# KiCad board KlokTHREEjr.kicad_pcb (continued)
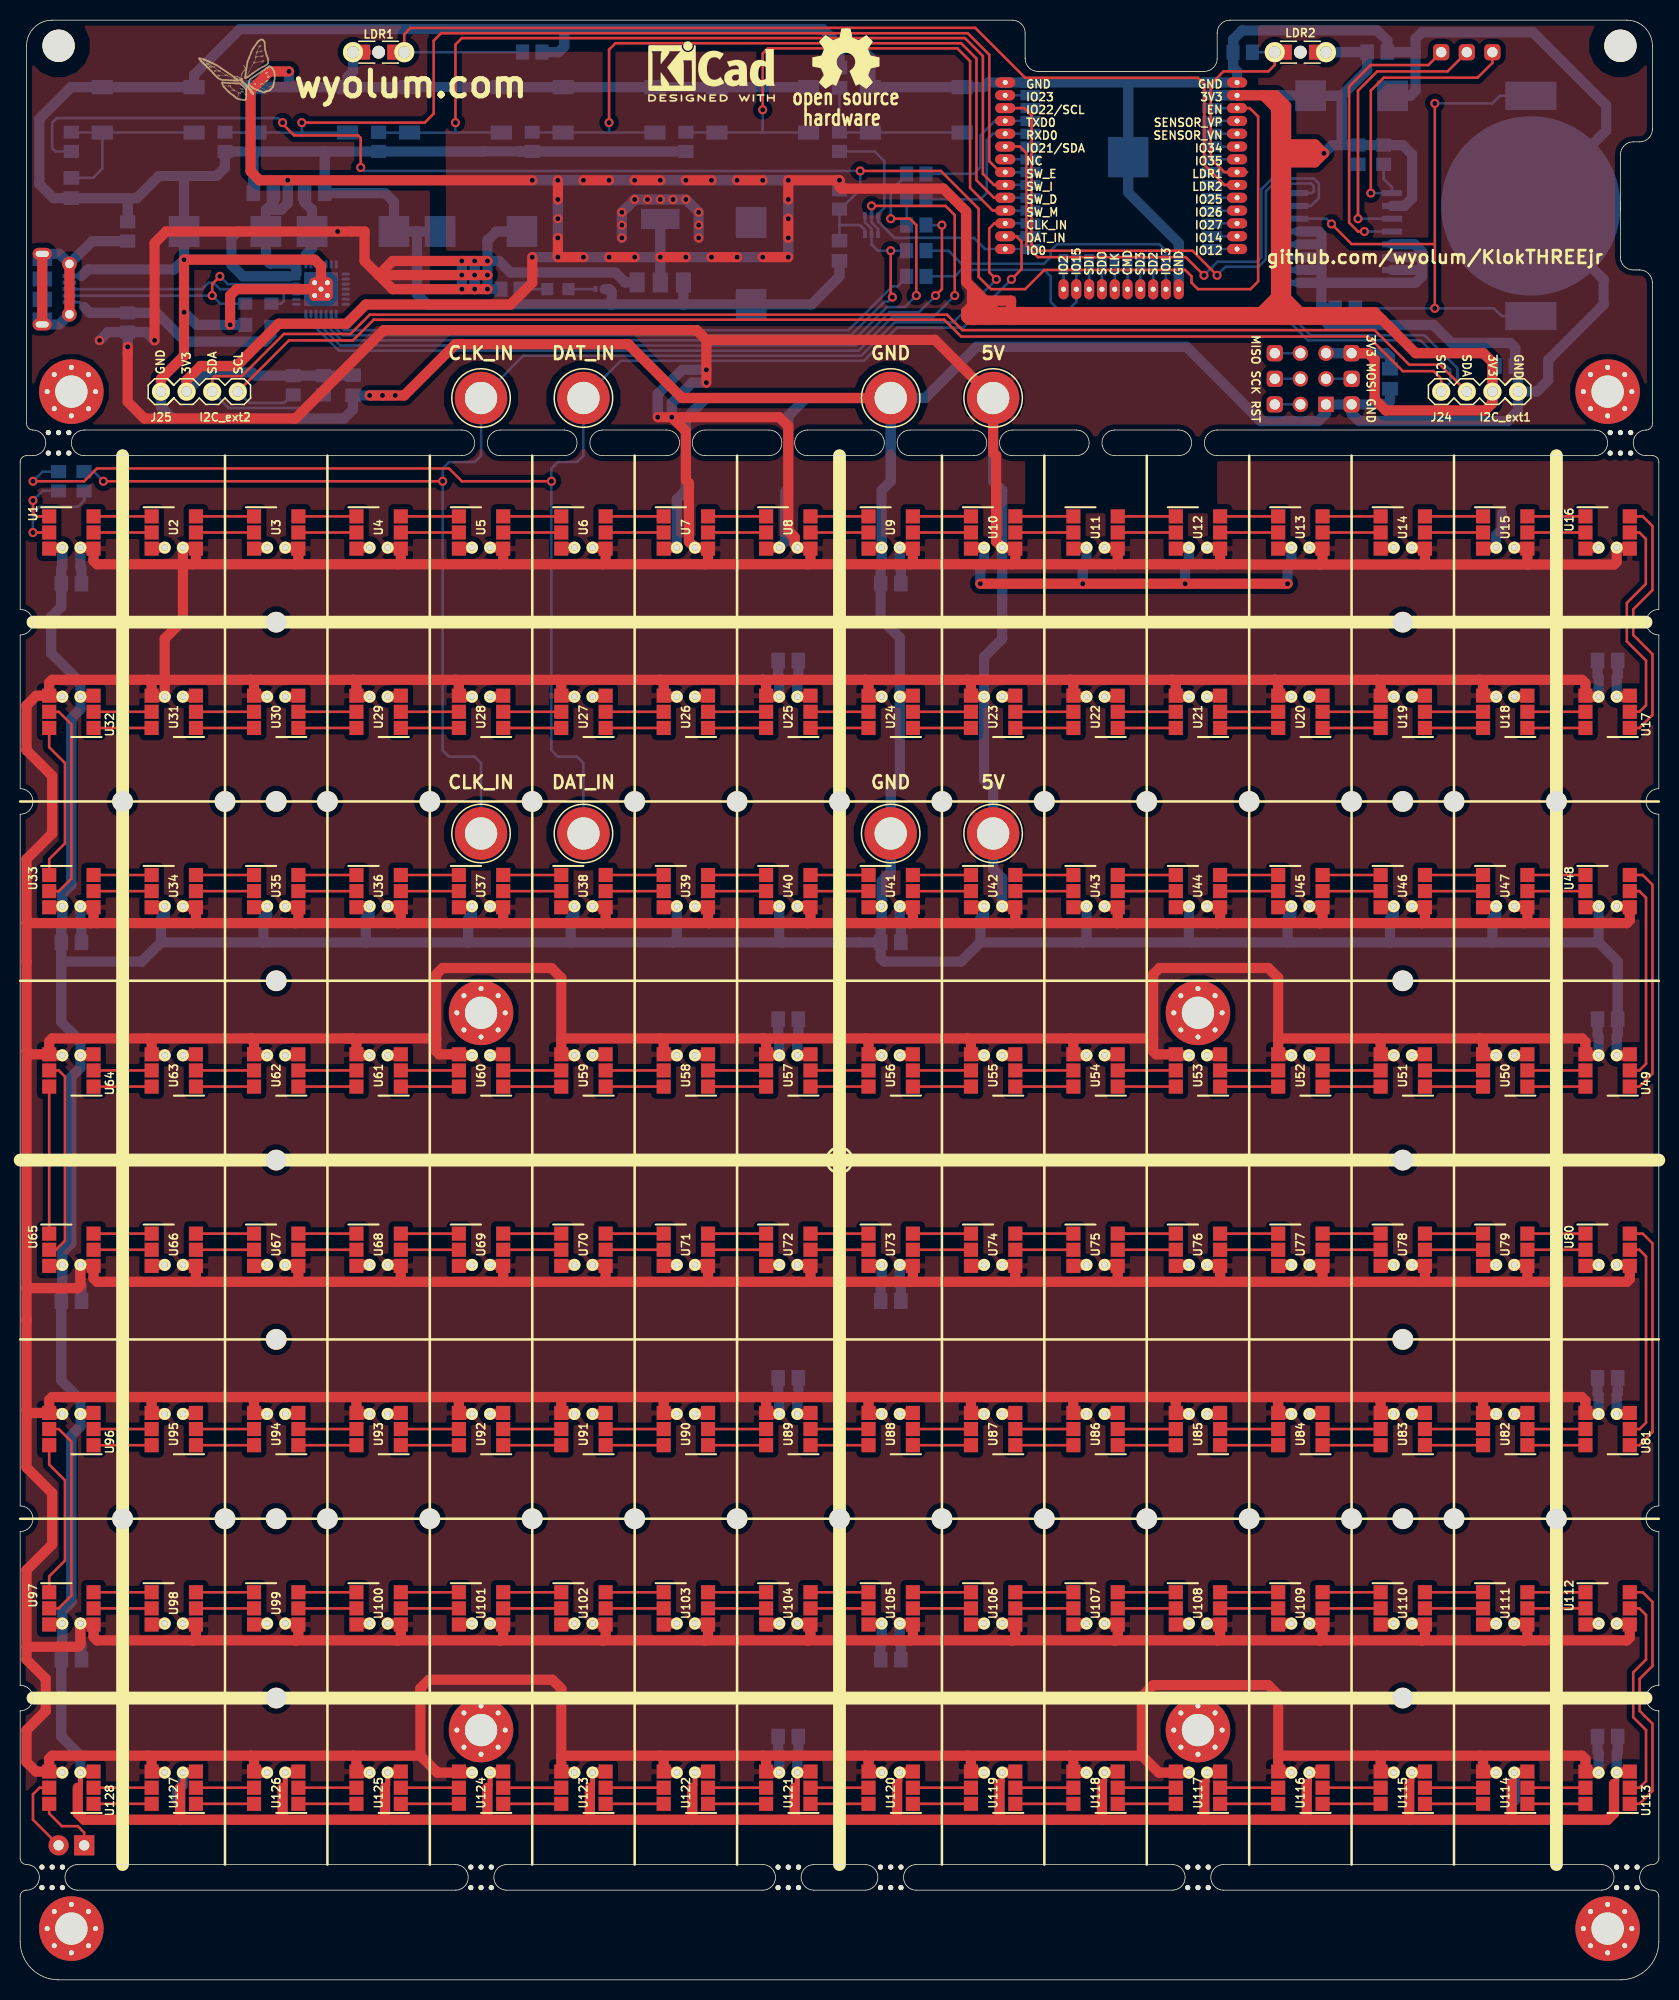
[diagram p0: board, top side]
## Routing (per net, layer and track width the routed paths; a pad name or vN(x,y) marks a point on that pad's centre or on a via; arc(x,y) is an arc through that point) (continued)
  vias: v1(59.69,173.99) v1(62.23,176.53) v1(63.5,176.53) v1(64.77,176.53) v1(67.31,173.99)
/5V: length 2226.2
  Top w1.016: 149.52,140.34 158.12,140.34 158.38,140.6 158.38,142.01 159.58,142.01 U16.4 ; 149.52,140.34 139.06,140.34 ; 149.52,140.34 U15.4 149.42,142.01 148.22,142.01 ; 46.62,35.33 47.82,35.33 47.92,35.23 47.92,33.95 47.63,33.66 ; U85.4 114.74,56.11 U85.4 114.64,57.45 114.3,57.79 ; 53.34,57.79 63.5,57.79 ; 53.34,57.79 43.18,57.79 ; 53.34,57.79 53.68,57.45 U91.4 53.78,56.11 U91.4 ; 63.5,57.79 63.84,57.45 U90.4 63.94,56.11 U90.4 ; 63.5,57.79 73.66,57.79 ; 108.59,69.22 118.75,69.22 ; 108.59,69.22 108.88,69.51 U75.4 108.78,70.89 U75.4 ; 108.59,69.22 98.43,69.22 ; 118.75,69.22 119.04,69.51 U76.4 118.94,70.89 U76.4 ; 118.75,69.22 128.91,69.22 ; 53.34,128.91 63.5,128.91 ; 53.34,128.91 53.68,128.56 U27.4 53.78,127.23 U27.4 ; 53.34,128.91 43.18,128.91 ; 63.5,128.91 73.66,128.91 ; 63.5,128.91 63.84,128.56 U26.4 63.94,127.23 U26.4 ; 128.91,104.78 139.06,104.78 ; 128.91,104.78 118.75,104.78 ; 128.91,104.78 129.2,105.07 U45.4 129.1,106.45 U45.4 ; 139.06,104.78 139.36,105.07 U46.4 139.26,106.45 U46.4 ; 139.06,104.78 149.22,104.78 ; U128.4 1.58,20.65 0.63,21.59 0.63,24.77 2.54,26.67 2.54,29.85 0.63,31.75 0.63,33.02 ; U128.4 2.98,20.55 U128.4 ; U128.4 2.88,21.93 3.18,22.23 12.7,22.23 ; 108.84,104.78 108.88,104.82 U43.4 108.78,106.45 U43.4 ; 108.84,104.78 118.75,104.78 ; 108.84,104.78 98.43,104.78 ; 144.78,93.35 134.62,93.35 ; 144.78,93.35 154.94,93.35 155.28,93.01 155.28,91.77 155.38,91.67 U49.4 ; 144.78,93.35 145.12,93.01 145.12,91.77 145.22,91.67 U50.4 ; 134.62,93.35 124.8,93.35 ; 134.62,93.35 134.96,93.01 U51.4 135.06,91.67 U51.4 ; 63.5,93.35 53.68,93.35 ; 63.5,93.35 63.84,93.01 U58.4 63.94,91.67 U58.4 ; 63.5,93.35 73.66,93.35 ; 53.68,93.35 53.68,99.36 52.71,100.33 41.91,100.33 41.27,99.7 41.27,93.35 ; 53.68,93.35 U59.4 53.78,91.67 U59.4 ; 93.98,128.91 94.32,128.56 U23.4 94.42,127.23 U23.4 ; 93.98,128.91 83.82,128.91 ; 93.98,128.91 104.14,128.91 ; v1(64.64,154.94) 66.04,153.54 66.04,148.72 66.34,148.42 66.34,142.61 U7.4 68.14,142.01 U7.4 68.24,140.66 67.94,140.36 ; v1(64.64,154.94) v1(63.25,154.94) ; v1(64.64,154.94) 75.31,154.94 76.2,154.05 76.2,143.68 76.84,143.05 76.84,142.28 U8.4 78.3,142.01 U8.4 78.4,140.66 78.11,140.36 ; U83.4 135.06,56.11 U83.4 134.96,57.42 134.59,57.79 133.99,57.79 ; 37.46,33.66 37.76,33.95 U100.4 37.66,35.33 U100.4 ; 37.46,33.66 27.3,33.66 ; 37.46,33.66 47.63,33.66 ; U40.4 78.3,106.45 U40.4 78.4,105.07 78.11,104.78 ; 12.7,57.79 12.7,57.76 13.04,57.42 U95.4 13.14,56.11 U95.4 ; 12.7,57.79 22.86,57.79 ; 12.7,57.79 3.18,57.79 2.88,57.49 U96.4 ; 6.98,104.78 17.15,104.78 ; 6.98,104.78 7.28,105.07 U33.4 7.18,106.45 U33.4 ; 6.98,104.78 0.63,104.78 ; 67.94,140.36 78.11,140.36 ; 67.94,140.36 57.79,140.36 ; 78.11,140.36 88.27,140.36 ; U60.4 43.62,91.67 U60.4 41.58,91.77 41.27,92.08 41.27,93.35 ; 104.14,128.91 104.48,128.56 U22.4 104.58,127.23 U22.4 ; 104.14,128.91 114.3,128.91 ; 0.63,104.78 0.63,111.12 3.18,113.67 3.18,119.38 0.63,121.92 0.63,126.37 1.6,127.33 U32.4 ; 0.63,104.78 0.63,92.08 ; 27.3,33.66 27.6,33.95 U99.4 27.5,35.33 U99.4 ; 27.3,33.66 17.15,33.66 ; 93.98,22.23 94.32,21.89 U119.4 94.42,20.55 U119.4 ; 93.98,22.23 83.82,22.23 ; 93.98,22.23 104.14,22.23 ; U61.4 33.46,91.67 U61.4 33.36,92.98 32.99,93.35 22.86,93.35 ; U72.4 78.3,70.89 U72.4 78.4,69.51 78.11,69.22 ; U107.4 108.78,35.33 U107.4 108.88,33.95 108.59,33.66 ; U125.4 33.46,20.55 U125.4 33.36,21.89 33.02,22.23 ; 53.68,22.23 U123.4 53.78,20.55 U123.4 ; 53.68,22.23 63.5,22.23 ; 53.68,22.23 53.68,28.87 52.79,29.76 40.55,29.76 39.7,28.91 39.7,22.23 ; U1.4 7.18,142.01 U1.4 7.28,140.7 7.62,140.36 17.15,140.36 ; U89.4 74.1,56.11 U89.4 74,57.45 73.66,57.79 ; 149.22,33.66 159.39,33.66 159.68,33.95 U112.4 159.58,35.33 158.38,35.33 ; 149.22,33.66 139.06,33.66 ; 149.22,33.66 149.52,33.95 U111.4 149.42,35.33 148.22,35.33 ; 124.46,128.91 134.62,128.91 ; 124.46,128.91 124.8,128.56 U20.4 124.9,127.23 U20.4 ; 124.46,128.91 114.3,128.91 ; 134.62,128.91 134.62,128.88 134.96,128.54 U19.4 135.06,127.23 U19.4 ; 134.62,128.91 144.78,128.91 ; 0.63,33.02 0.63,40.64 3.18,43.18 3.18,48.26 0.63,50.8 0.63,56.52 ; 0.63,33.02 5.72,33.02 5.98,33.29 U97.4 7.18,35.33 U97.4 7.28,34 7.62,33.66 17.15,33.66 ; U78.4 139.26,70.89 U78.4 139.36,69.51 139.06,69.22 ; U68.4 37.66,70.89 U68.4 37.76,69.51 37.46,69.22 ; 46.62,106.45 47.82,106.45 47.92,106.35 47.92,105.07 47.63,104.78 ; 78.11,69.22 88.27,69.22 ; 78.11,69.22 67.94,69.22 ; 88.27,69.22 98.43,69.22 ; 88.27,69.22 88.56,69.51 U73.4 88.46,70.89 U73.4 ; 43.18,57.79 43.52,57.45 U92.4 43.62,56.11 U92.4 ; 43.18,57.79 33.02,57.79 ; 128.91,140.34 121.88,140.34 121.86,140.36 118.75,140.36 ; 128.91,140.34 139.06,140.34 ; 128.91,140.34 129.2,140.63 U13.4 129.1,142.01 U13.4 ; 83.82,93.35 73.66,93.35 ; 83.82,93.35 93.98,93.35 ; 83.82,93.35 84.16,93.01 84.16,91.77 84.26,91.67 U56.4 ; 73.66,93.35 74,93.01 U57.4 74.1,91.67 U57.4 ; 134.62,22.23 124.8,22.23 ; 134.62,22.23 144.78,22.23 ; 134.62,22.23 134.96,21.89 U115.4 135.06,20.55 U115.4 ; 124.8,22.23 U116.4 124.9,20.55 U116.4 ; 124.8,22.23 124.8,28.24 123.81,29.22 112.41,29.22 111.28,28.1 111.28,22.23 ; U55.4 94.42,91.67 U55.4 94.32,93.01 93.98,93.35 ; 47.63,69.22 57.79,69.22 ; 47.63,69.22 47.92,69.51 47.92,70.79 47.82,70.89 46.62,70.89 ; 47.63,69.22 37.46,69.22 ; 57.79,69.22 67.94,69.22 ; 57.79,69.22 58.08,69.51 U70.4 57.98,70.89 56.78,70.89 ; U77.4 129.1,70.89 U77.4 129.2,69.51 128.91,69.22 ; 73.66,57.79 83.82,57.79 ; 33.02,128.91 33.36,128.56 U29.4 33.46,127.23 U29.4 ; 33.02,128.91 43.18,128.91 ; 33.02,128.91 22.86,128.91 ; 47.63,33.66 57.79,33.66 ; 57.79,33.66 58.08,33.95 U102.4 57.98,35.33 56.78,35.33 ; 57.79,33.66 67.94,33.66 ; 111.28,22.23 104.14,22.23 ; 111.28,22.23 112.96,20.55 U117.4 114.74,20.55 U117.4 ; 124.46,57.79 133.99,57.79 ; 124.46,57.79 124.8,57.45 U84.4 124.9,56.11 U84.4 ; 124.46,57.79 114.3,57.79 ; 133.99,57.79 144.78,57.79 ; 68.07,162.61 90.75,162.61 J7.1 96.52,151.44 96.82,151.14 96.82,142.61 U10.4 98.62,142.01 U10.4 98.72,140.66 98.43,140.36 ; 68.07,162.61 v1(68.07,159.64) v1(68.07,158.37) ; 68.07,162.61 67.11,163.58 36.07,163.58 27.3,154.81 12.32,154.81 10.67,156.46 v1(10.67,161.93) ; U127.4 13.14,20.55 U127.4 13.04,21.89 12.7,22.23 ; 57.79,104.78 58.08,105.07 U38.4 57.98,106.45 56.78,106.45 ; 57.79,104.78 68.33,104.78 ; 57.79,104.78 47.63,104.78 ; 0.63,92.08 0.63,68.58 ; 0.63,92.08 0.94,91.77 U64.4 ; 0.63,68.58 0.63,56.52 ; 0.63,68.58 5.72,68.58 5.98,68.85 U65.4 7.18,70.89 U65.4 7.28,69.56 7.62,69.22 17.15,69.22 ; 83.82,22.23 84.16,21.89 84.16,20.65 84.26,20.55 U120.4 ; 83.82,22.23 73.66,22.23 ; 108.59,33.66 98.43,33.66 ; 108.59,33.66 118.75,33.66 ; 46.62,142.01 47.82,142.01 47.92,141.91 47.92,140.66 47.63,140.36 ; 37.46,140.36 37.76,140.66 U4.4 37.66,142.01 U4.4 ; 37.46,140.36 27.3,140.36 ; 37.46,140.36 47.63,140.36 ; 118.75,104.78 119.04,105.07 U44.4 118.94,106.45 U44.4 ; U14.4 139.26,142.01 U14.4 139.36,140.63 139.06,140.34 ; 98.43,104.78 98.72,105.07 U42.4 98.62,106.45 U42.4 ; 98.43,104.78 88.27,104.78 ; 37.46,69.22 27.3,69.22 ; 139.06,33.66 128.91,33.66 ; 139.06,33.66 139.36,33.95 U110.4 139.26,35.33 U110.4 ; 57.79,140.36 58.08,140.66 U6.4 57.98,142.01 56.78,142.01 ; 57.79,140.36 47.63,140.36 ; 148.22,70.89 149.42,70.89 U79.4 149.52,69.51 149.22,69.22 ; 88.27,33.66 98.43,33.66 ; 88.27,33.66 78.11,33.66 ; 88.27,33.66 88.56,33.95 U105.4 88.46,35.33 U105.4 ; 98.43,33.66 98.72,33.95 U106.4 98.62,35.33 U106.4 ; 128.91,33.66 118.75,33.66 ; 128.91,33.66 129.2,33.95 U109.4 129.1,35.33 U109.4 ; 78.11,104.78 88.27,104.78 ; 78.11,104.78 68.33,104.78 ; 17.15,104.78 17.44,105.07 U34.4 17.34,106.45 U34.4 ; 17.15,104.78 27.3,104.78 ; 68.33,104.78 68.24,104.86 U39.4 68.14,106.45 U39.4 ; U11.4 108.78,142.01 U11.4 108.88,140.66 108.59,140.36 ; 128.91,69.22 139.06,69.22 ; 22.86,57.79 33.02,57.79 ; 22.86,57.79 23.2,57.45 U94.4 23.3,56.11 U94.4 ; U64.4 2.88,93.05 3.18,93.35 12.7,93.35 ; U64.4 2.98,91.67 U64.4 ; 41.27,93.35 32.38,93.35 ; U126.4 23.3,20.55 U126.4 23.2,21.89 22.86,22.23 ; U52.4 124.9,91.67 U52.4 124.8,93.35 ; 83.82,57.79 93.34,57.79 ; 83.82,57.79 84.16,57.45 84.16,56.21 84.26,56.11 U88.4 ; 139.06,69.22 149.22,69.22 ; 149.22,69.22 159.39,69.22 159.68,69.51 U80.4 159.58,70.89 158.38,70.89 ; 104.14,22.23 104.48,21.89 U118.4 104.58,20.55 U118.4 ; 88.27,104.78 88.56,105.07 U41.4 88.46,106.45 U41.4 ; U82.4 145.22,56.11 145.12,56.21 145.12,57.45 144.78,57.79 ; U21.4 114.74,127.23 U21.4 114.64,128.56 114.3,128.91 ; 27.3,140.36 17.15,140.36 ; 27.3,140.36 27.6,140.66 U3.4 27.5,142.01 U3.4 ; 17.15,140.36 17.44,140.66 U2.4 17.34,142.01 U2.4 16.14,134.78 14.34,132.98 U31.4 13.14,127.23 U31.4 13.04,128.56 12.7,128.91 ; 17.15,69.22 27.3,69.22 ; 17.15,69.22 17.44,69.51 U66.4 17.34,70.89 U66.4 ; 144.78,22.23 154.94,22.23 155.28,21.89 155.28,20.65 155.38,20.55 U113.4 ; 144.78,22.23 145.12,21.89 145.12,20.65 145.22,20.55 U114.4 ; U54.4 104.58,91.67 U54.4 104.48,93.01 104.14,93.35 ; U124.4 43.62,20.55 U124.4 41.38,20.55 39.7,22.23 ; 37.46,104.78 47.63,104.78 ; 37.46,104.78 37.76,105.07 U36.4 37.66,106.45 U36.4 ; 37.46,104.78 27.3,104.78 ; 33.02,57.79 33.36,57.45 U93.4 33.46,56.11 U93.4 ; 63.5,22.23 63.84,21.89 U122.4 63.94,20.55 U122.4 ; 63.5,22.23 73.66,22.23 ; 148.22,106.45 149.42,106.45 U47.4 149.52,105.07 149.22,104.78 ; 12.7,93.35 13.04,93.01 U63.4 13.14,91.67 U63.4 ; 12.7,93.35 22.86,93.35 ; U96.4 2.98,56.11 U96.4 ; 43.18,128.91 43.52,128.56 U28.4 43.62,127.23 U28.4 ; 88.27,140.36 98.43,140.36 ; 88.27,140.36 88.56,140.66 U9.4 88.46,142.01 U9.4 ; 98.43,140.36 108.59,140.36 ; 73.66,128.91 73.66,128.88 74,128.54 U25.4 74.1,127.23 U25.4 ; 73.66,128.91 83.82,128.91 ; 98.43,69.22 98.72,69.51 U74.4 98.62,70.89 U74.4 ; 144.78,57.79 154.91,57.79 155.28,57.42 155.28,56.21 155.38,56.11 U81.4 ; 0.63,56.52 0.94,56.21 U96.4 ; U104.4 78.3,35.33 U104.4 78.4,33.95 78.11,33.66 ; 22.86,22.23 12.7,22.23 ; 22.86,22.23 33.02,22.23 ; 22.86,93.35 23.2,93.01 U62.4 23.3,91.67 U62.4 ; U17.4 155.38,127.23 155.28,127.33 155.28,128.56 154.94,128.91 144.78,128.91 ; 158.38,106.45 159.58,106.45 U48.4 159.68,105.07 159.39,104.78 149.22,104.78 ; 93.98,93.35 104.14,93.35 ; U24.4 84.26,127.23 84.16,127.33 84.16,128.56 83.82,128.91 ; U53.4 114.74,91.67 U53.4 112.7,91.77 112.4,92.08 112.4,93.35 ; 114.3,57.79 104.14,57.79 ; 12.7,128.91 3.18,128.91 2.88,128.61 U32.4 ; 12.7,128.91 22.86,128.91 ; 144.78,128.91 145.12,128.56 145.12,127.33 145.22,127.23 U18.4 ; U32.4 2.98,127.23 U32.4 ; 27.3,104.78 27.6,105.07 U35.4 27.5,106.45 U35.4 ; 93.34,57.79 93.95,57.79 94.32,57.42 U87.4 94.42,56.11 U87.4 ; 93.34,57.79 104.14,57.79 ; 124.8,93.35 124.8,99.36 123.83,100.33 113.03,100.33 112.4,99.7 112.4,93.35 ; 67.94,33.66 68.24,33.95 U103.4 68.14,35.33 U103.4 ; 67.94,33.66 78.11,33.66 ; 118.75,140.36 119.04,140.66 U12.4 118.94,142.01 U12.4 ; 118.75,140.36 108.59,140.36 ; 104.14,57.79 104.48,57.45 U86.4 104.58,56.11 U86.4 ; 112.4,93.35 104.14,93.35 ; 22.86,128.91 23.2,128.56 U30.4 23.3,127.23 U30.4 ; 33.02,22.23 39.7,22.23 ; U98.4 17.34,35.33 U98.4 17.44,33.95 17.15,33.66 ; v1(46.35,170.43) v1(45.09,170.43) v1(43.82,170.43) 36.96,170.43 35.56,169.04 ; v1(46.35,169.04) v1(45.09,169.04) v1(43.82,169.04) 35.56,169.04 ; 67.94,69.22 68.24,69.51 U71.4 68.14,70.89 U71.4 ; 118.75,33.66 119.04,33.95 U108.4 118.94,35.33 U108.4 ; 35.56,169.04 34.16,170.43 34.16,173.36 v1(31.5,173.36) 14.48,173.36 13.34,172.21 v1(13.34,162.56) ; 35.56,169.04 36.96,167.64 v1(43.82,167.64) v1(45.09,167.64) v1(46.35,167.64) ; U67.4 27.5,70.89 U67.4 27.6,69.51 27.3,69.22 ; 73.66,22.23 74,21.89 U121.4 74.1,20.55 U121.4
  Bottom w0.254: 28.35,171.07 U132.8
  Bottom w1.016: 28.35,171.07 28.96,171.68 28.96,173.36 ; 28.96,173.36 28.96,175.51 28.21,176.26 C26.1 ; 28.96,173.36 v1(31.5,173.36) ; U42.4 97.42,109.23 96.52,110.13 J15.1 96.52,118.11 95.62,119.01 U23.4 95.62,131.18 97.42,132.98 U10.4 97.42,147.69 96.52,148.59 J7.1 ; C12.2 75.2,58.15 75.3,58.05 U89.4 ; C3.2 156.48,129.27 156.58,129.17 U17.4 ; v1(46.35,170.43) 47.5,170.43 48.64,169.29 59.05,169.29 60.05,168.3 61.2,168.3 ; v1(46.35,170.43) 46.35,172.47 47.24,173.36 49.78,173.36 ; v1(46.35,170.43) v1(46.35,169.04) v1(46.35,167.64) R4.1 ; v1(68.07,158.37) 66.68,158.37 64.64,156.34 v1(64.64,154.94) ; U97.4 5.98,33.39 6.08,33.29 C13.2 ; C4.2 75.2,129.27 75.3,129.17 U25.4 ; C8.2 75.2,93.71 75.3,93.61 U57.4 ; U81.4 156.58,58.05 156.48,58.15 C11.2 ; U105.4 87.26,33.39 87.36,33.29 C14.2 ; v1(45.09,167.64) v1(45.09,169.04) v1(45.09,170.43) ; L1.2 12.51,163.39 v1(13.34,162.56) ; L1.2 8.7,163.39 v1(7.87,162.56) ; L1.2 v1(10.67,161.93) ; C9.2 6.08,68.85 5.98,68.95 U65.4 ; C7.2 156.48,93.71 156.58,93.61 U49.4 ; v1(68.07,159.64) 65.66,159.64 63.25,157.23 v1(63.25,154.94) ; C15.2 156.48,22.59 156.58,22.49 U113.4 ; U41.4 87.26,104.61 87.36,104.51 C6.2 ; C2.2 87.36,139.97 87.26,140.07 U9.4 ; U1.4 5.98,140.07 6.08,139.97 C1.2 ; v1(43.82,170.43) v1(43.82,169.04) v1(43.82,167.64) ; U73.4 87.26,68.95 87.36,68.85 C10.2 ; C5.2 6.08,104.41 5.98,104.51 U33.4 ; C16.2 75.2,22.59 75.3,22.49 U121.4
GND: length 1657.3
  Top w0.508: 137.8,19.44 138.06,19.7 U115.3 ; 97.16,19.44 97.42,19.7 U119.3 ; U128.3 5.98,19.32 5.72,19.05 ; 66.68,19.05 66.94,19.32 U122.3 ; 15.88,19.05 16.14,19.32 U127.3 ; U120.3 87.26,19.7 87,19.44 ; U125.3 36.46,19.32 36.2,19.05 ; U116.3 127.9,19.7 127.64,19.44 ; 158.12,19.44 158.38,19.7 158.38,20.55 ; 76.84,19.05 77.1,19.32 U121.3 ; 148.22,20.55 148.22,19.7 147.96,19.44 ; U117.3 117.74,19.7 117.47,19.44 ; 56.78,20.55 56.78,19.32 56.52,19.05 ; U118.3 107.58,19.7 107.31,19.44 ; 26.04,19.05 26.3,19.32 U126.3 ; 46.62,20.55 46.62,19.32 46.35,19.05
  Top w1.016: 30.48,167 U132.29 ; 30.48,167 30.48,168.28 ; 30.48,167 U132.29 ; U132.29 U132.29 ; U132.29 U132.29 ; 30.48,168.28 U132.29 ; 30.48,168.28 U132.29 ; U132.29 U132.29 ; U132.29 21.46,167.64 20.83,167 v1(20.83,164.1) ; U132.29 29.85,169.93 29.21,170.56 v1(16.26,170.56) v1(16.26,165.35) 16.26,161.04 13.97,158.75 13.97,157.48 ; U95.3 17.34,56.11 U95.3 ; 47.92,91.77 47.82,91.67 46.62,91.67 ; U116.3 129.1,20.55 U116.3 ; U74.3 94.42,70.89 U74.3 ; U3.3 23.3,142.01 U3.3 ; U127.3 17.34,20.55 U127.3 ; U90.3 68.14,56.11 U90.3 ; U53.3 118.94,91.67 U53.3 ; U65.3 2.98,70.89 U65.3 ; U119.3 98.62,20.55 U119.3 ; U105.3 84.26,35.33 84.16,35.23 ; U81.3 159.58,56.11 158.38,56.11 ; U30.3 27.5,127.23 U30.3 ; U56.3 88.46,91.67 U56.3 ; U83.3 139.26,56.11 U83.3 ; U61.3 37.66,91.67 U61.3 ; 56.78,91.67 57.98,91.67 U59.3 ; U117.3 118.94,20.55 U117.3 ; U54.3 108.78,91.67 U54.3 ; U89.3 78.3,56.11 U89.3 ; 145.12,141.91 145.22,142.01 U15.3 ; U100.3 33.46,35.33 U100.3 ; U82.3 149.42,56.11 148.22,56.11 ; U128.3 7.18,20.55 U128.3 ; U57.3 78.3,91.67 U57.3 ; U75.3 104.58,70.89 U75.3 ; U87.3 98.62,56.11 U87.3 ; 56.52,19.05 56.52,15.88 ; U49.3 159.58,91.67 158.38,91.67 ; U51.3 139.26,91.67 U51.3 ; 148.22,127.23 149.42,127.23 U18.3 ; U46.3 135.06,106.45 U46.3 ; U98.3 13.14,35.33 U98.3 ; U12.3 114.74,142.01 U12.3 ; 117.47,19.44 117.47,15.88 ; 117.47,15.88 127.64,15.88 ; 117.47,15.88 107.31,15.88 ; U32.3 7.18,127.23 U32.3 ; U63.3 17.34,91.67 U63.3 ; U58.3 68.14,91.67 U58.3 ; U78.3 135.06,70.89 U78.3 ; U71.3 63.94,70.89 U71.3 ; U80.3 155.38,70.89 155.28,70.79 ; U33.3 2.98,106.45 U33.3 ; 145.12,70.79 145.22,70.89 U79.3 ; U72.3 74.1,70.89 U72.3 ; U110.3 135.06,35.33 U110.3 ; U114.3 149.42,20.55 148.22,20.55 ; 84.16,141.91 84.26,142.01 U9.3 ; U115.3 139.26,20.55 U115.3 ; U14.3 135.06,142.01 U14.3 ; 127.64,15.88 137.8,15.88 ; 127.64,15.88 127.64,19.44 ; U67.3 23.3,70.89 U67.3 ; U66.3 13.14,70.89 U66.3 ; U109.3 124.9,35.33 U109.3 ; 147.96,15.88 157.48,15.88 158.12,16.51 158.12,19.44 ; 147.96,15.88 137.8,15.88 ; 147.96,15.88 147.96,19.44 ; U24.3 88.46,127.23 U24.3 ; 84.16,70.79 84.26,70.89 U73.3 ; 155.28,141.91 155.38,142.01 U16.3 ; U112.3 155.38,35.33 155.28,35.23 ; 36.2,19.05 36.2,15.88 ; U104.3 74.1,35.33 U104.3 ; 87,19.44 87,15.88 ; 87,15.88 97.16,15.88 ; 87,15.88 76.84,15.88 ; U21.3 118.94,127.23 U21.3 ; U29.3 37.66,127.23 U29.3 ; 97.16,19.44 97.16,15.88 ; 97.16,15.88 107.31,15.88 ; U107.3 104.58,35.33 U107.3 ; U36.3 33.46,106.45 U36.3 ; U86.3 108.78,56.11 U86.3 ; U45.3 124.9,106.45 U45.3 ; U7.3 63.94,142.01 U7.3 ; 137.8,15.88 137.8,19.44 ; U25.3 78.3,127.23 U25.3 ; U93.3 37.66,56.11 U93.3 ; U13.3 124.9,142.01 U13.3 ; U39.3 63.94,106.45 U39.3 ; U4.3 33.46,142.01 U4.3 ; U43.3 104.58,106.45 U43.3 ; U37.3 43.62,106.45 U37.3 ; 84.16,106.35 84.26,106.45 U41.3 ; U69.3 43.62,70.89 U69.3 ; U38.3 53.78,106.45 U38.3 ; U26.3 68.14,127.23 U26.3 ; U40.3 74.1,106.45 U40.3 ; U68.3 33.46,70.89 U68.3 ; U94.3 27.5,56.11 U94.3 ; 145.12,106.35 145.22,106.45 U47.3 ; U85.3 118.94,56.11 U85.3 ; U76.3 114.74,70.89 U76.3 ; U88.3 88.46,56.11 U88.3 ; U20.3 129.1,127.23 U20.3 ; U52.3 129.1,91.67 U52.3 ; U44.3 114.74,106.45 U44.3 ; U22.3 108.78,127.23 U22.3 ; U62.3 27.5,91.67 U62.3 ; U126.3 27.5,20.55 U126.3 ; U106.3 94.42,35.33 U106.3 ; 15.88,15.88 6.35,15.88 5.72,16.51 5.72,19.05 ; 15.88,15.88 15.88,19.05 ; 15.88,15.88 76.84,15.88 ; 158.38,127.23 159.58,127.23 U17.3 ; U102.3 53.78,35.33 U102.3 ; U48.3 155.38,106.45 155.28,106.35 ; 47.92,127.33 47.82,127.23 46.62,127.23 ; v1(34.67,157.1) 38.1,157.1 43.18,162.18 60.32,162.18 65.66,156.85 J8.1 ; 26.04,19.05 26.04,15.88 ; U122.3 68.14,20.55 U122.3 ; U97.3 2.98,35.33 U97.3 ; U70.3 53.78,70.89 U70.3 ; U42.3 94.42,106.45 U42.3 ; U35.3 23.3,106.45 U35.3 ; U27.3 57.98,127.23 56.78,127.23 ; U23.3 98.62,127.23 U23.3 ; U2.3 13.14,142.01 U2.3 ; 107.31,19.44 107.31,15.88 ; U8.3 74.1,142.01 U8.3 ; 76.84,15.88 76.84,19.05 ; U121.3 78.3,20.55 U121.3 ; U120.3 88.46,20.55 U120.3 ; 47.92,56.21 47.82,56.11 46.62,56.11 ; 46.35,19.05 46.35,15.88 ; U34.3 13.14,106.45 U34.3 ; 56.78,20.55 57.98,20.55 U123.3 ; U101.3 43.62,35.33 U101.3 ; U108.3 114.74,35.33 U108.3 ; U84.3 129.1,56.11 U84.3 ; U103.3 63.94,35.33 U103.3 ; U5.3 43.62,142.01 U5.3 ; U91.3 57.98,56.11 56.78,56.11 ; 46.62,20.55 47.82,20.55 47.92,20.65 ; U55.3 98.62,91.67 U55.3 ; U31.3 17.34,127.23 U31.3 ; U1.3 2.98,142.01 U1.3 ; U6.3 53.78,142.01 U6.3 ; U99.3 23.3,35.33 U99.3 ; U118.3 108.78,20.55 U118.3 ; U64.3 7.18,91.67 U64.3 ; U10.3 94.42,142.01 U10.3 ; U113.3 159.58,20.55 158.38,20.55 ; U11.3 104.58,142.01 U11.3 ; U96.3 7.18,56.11 U96.3 ; 66.68,19.05 66.68,15.88 ; U125.3 37.66,20.55 U125.3 ; U77.3 124.9,70.89 U77.3 ; 148.22,91.67 149.42,91.67 U50.3 ; U111.3 145.22,35.33 145.12,35.23 ; v1(125.73,138.43) v1(115.57,138.43) v1(105.41,138.43) v1(95.25,138.43) ; U19.3 139.26,127.23 U19.3
  Bottom w0.152: U132.3 28.67,167.14
  Bottom w0.508: P1.5 6.07,168.94
  Bottom w1.016: 15.56,17.78 15.56,18.73 16.14,19.32 U127.3 ; U15.3 146.42,143.25 147,143.83 147,145.42 ; J24.4 150.46,157.48 151.59,158.61 151.59,160.61 157.09,166.11 157.09,168.61 149.86,175.84 BT1.2 149.87,175.9 157.34,183.36 157.34,185.86 150.09,193.11 139.06,193.11 138.43,192.48 138.43,191.14 ; J24.4 148.59,159.75 C30.2 148.32,161.81 147.83,162.31 141.99,162.31 140.21,164.08 129.79,164.08 129.09,164.79 129.09,166.11 ; J24.4 148.59,155.58 147.57,154.56 132.83,154.56 132.08,155.31 J23.1 ; 129.09,170.86 129.04,170.81 U130.11 ; 129.09,170.86 129.09,172.11 ; 129.09,170.86 129.09,169.61 ; 129.09,172.11 129.09,173.08 128.81,173.36 U130.13 ; 129.09,172.11 129.06,172.09 U130.12 ; 129.09,168.28 129.09,169.61 ; 129.09,168.28 U130.8 138.43,168.28 139.06,168.91 139.06,169.55 ; 129.09,168.28 U130.9 ; 129.09,168.28 129.09,166.11 ; 129.09,169.61 129.02,169.55 U130.10 ; 129.09,166.11 129.46,165.74 C22.2 ; U130.5 138.34,172.09 139.06,171.36 139.06,170.81 ; 139.06,170.81 139.06,169.55 ; 139.06,170.81 U130.6 ; 139.06,169.55 U130.7 ; J23.1 135.53,156.21 135.89,156.57 C29.2 ; J23.1 J20.6 129.54,155.32 128.78,154.56 123.06,154.56 115.7,161.93 94.87,161.93 89.79,156.85 J8.1 ; 81.28,191.77 83.19,191.77 84.35,190.61 S4.4 S4.2 95.59,187.67 96.06,188.13 U129.38 U129.38 109.86,188.13 ; 81.28,191.77 C21.2 ; 81.28,191.77 79.63,193.42 53.98,193.42 ; R10.2 R11.2 49.54,181.29 49.54,181.3 45.9,181.3 45.89,181.29 R24.2 30.23,181.29 ; U132.29 U132.29 28.67,167.14 ; 30.48,167 U132.29 ; 30.48,168.28 U132.29 ; U132.29 U132.29 ; 109.86,188.13 U129.1 U129.1 ; 109.86,188.13 109.92,188.06 U129.39 109.92,177.23 114.94,172.21 U129.15 U129.15 ; U129.1 120.65,188.13 ; U129.1 120.72,189.23 120.33,189.62 R13.2 120.33,192.41 121.22,193.29 134.62,193.29 135.62,192.29 C28.2 138.43,191.14 ; C27.2 137.92,186.82 138.43,187.33 138.43,191.14 ; U36.3 34.66,105.6 34.29,105.23 34.29,102.87 ; C6.1 85.36,101.33 85.72,100.97 93.34,100.97 95.25,102.87 ; C6.1 75.56,102.87 ; C6.1 85.36,104.41 85.46,104.51 U41.3 85.46,108.96 86.36,109.86 J16.1 86.36,118.11 87.26,119.01 U24.3 87.26,133.09 85.36,134.99 C2.1 85.36,139.97 85.46,140.07 U9.3 85.46,147.69 86.36,148.59 86.36,153.29 ; 148.27,17.78 148.27,20.5 148.22,20.55 ; 64.77,102.87 65.14,103.24 U39.3 ; 64.77,102.87 75.56,102.87 ; 64.77,102.87 54.61,102.87 ; U37.3 44.82,105.6 44.45,105.23 44.45,102.87 ; 86.36,153.29 86.36,151.51 ; 86.36,153.29 J8.1 ; U35.3 24.5,105.6 24.13,105.23 24.13,102.87 ; 65.79,166.12 C18.2 78.49,166.12 81.28,168.91 C19.2 ; 65.79,166.12 65.8,166.13 U131.1 ; 65.79,166.12 58.67,166.12 ; v1(125.73,138.43) 125.73,139.97 126.1,140.34 U13.3 ; U57.3 77.1,93.61 77.2,93.71 C8.1 ; 77.98,156.85 68.07,156.85 66.04,154.81 66.04,147.7 65.14,146.8 U7.3 ; 77.98,156.85 J8.1 ; 77.98,156.85 76.2,155.07 76.2,147.83 75.9,147.53 75.9,142.61 U8.3 ; 54.61,102.87 54.61,105.23 54.98,105.6 U38.3 ; 54.61,102.87 44.45,102.87 ; C24.2 23.13,181.18 23.24,181.29 ; 13.97,102.87 24.13,102.87 ; 13.97,102.87 12.06,100.97 4.08,100.97 ; 13.97,102.87 13.97,105.23 14.34,105.6 U34.3 ; 24.13,102.87 34.29,102.87 ; 58.67,166.12 40.39,166.12 39.37,167.13 39.37,173.36 ; 58.67,166.12 58.67,167.4 58.43,167.64 JP1.1 ; 44.45,102.87 34.29,102.87 ; 16.26,178.86 13.76,178.86 11.57,176.67 10.67,176.67 ; 16.26,178.86 C23.2 v1(16.26,170.56) 15.29,169.6 6.73,169.6 6.07,168.94 ; 16.26,178.86 19.48,178.86 20.32,179.71 R25.2 23.24,181.29 ; 53.98,193.42 21.79,193.42 17.25,188.88 S3.2 S3.4 5.04,187.67 1.91,184.53 1.91,178.06 3.29,176.67 C20.2 10.67,176.67 ; 53.98,193.42 53.98,191.69 53.42,191.14 R12.2 ; U73.3 85.46,68.95 85.36,68.85 C10.1 ; 4.08,100.97 C5.1 4.08,104.41 4.18,104.51 U33.3 4.18,107.69 5.08,108.59 5.08,125.1 5.98,126 U32.3 5.98,128.64 3.07,131.55 3.07,135.15 4.08,136.16 C1.1 4.08,139.97 4.18,140.07 U1.3 ; 4.08,100.97 4.08,94.98 5.98,93.08 U64.3 5.98,90.44 5.08,89.54 5.08,73.03 4.18,72.12 U65.3 4.18,68.95 4.08,68.85 C9.1 4.08,59.42 5.98,57.52 U96.3 5.98,54.88 5.08,53.98 5.08,37.47 4.18,36.57 U97.3 4.18,33.39 4.08,33.29 C13.1 4.08,24.12 5.98,22.23 U128.3 ; 95.25,102.87 105.41,102.87 ; 95.25,102.87 95.25,105.23 95.62,105.6 U42.3 ; 23.24,181.29 30.23,181.29 ; C12.1 77.2,57.52 77.1,57.42 U89.3 ; 13.97,157.48 13.97,155.96 15.11,154.81 32.13,154.81 33.02,155.7 C31.2 33.04,157.1 v1(34.67,157.1) v1(35.94,157.1) v1(37.21,157.1) ; 75.56,102.87 75.3,103.14 U40.3 ; 10.67,176.67 L2.2 ; D1.1 v1(20.83,164.1) 17.51,164.1 v1(16.26,165.35) ; C4.1 77.2,129.27 77.1,129.17 U25.3 ; U121.3 77.1,22.49 77.2,22.59 C16.1 ; v1(95.25,138.43) 95.25,139.97 95.62,140.34 U10.3 ; v1(115.57,138.43) 115.57,140.34 115.94,140.71 U12.3 ; 39.37,173.36 C17.2 ; 39.37,173.36 C25.2 37.08,176.28 36.2,177.17 C26.2 30.21,181.28 30.23,181.29 ; 156.58,102.87 158.48,100.97 C7.1 158.48,93.71 158.38,93.61 158.38,91.67 ; 156.58,102.87 U48.3 ; 156.58,102.87 146.05,102.87 ; U46.3 136.26,105.6 135.89,105.23 135.89,102.87 ; 146.05,102.87 135.89,102.87 ; 146.05,102.87 146.05,105.23 146.42,105.6 U47.3 ; 135.89,102.87 125.73,102.87 ; v1(105.41,138.43) 105.41,140.34 105.78,140.71 U11.3 ; 158.38,20.55 158.38,22.49 158.48,22.59 C15.1 ; C3.1 158.48,129.27 158.38,129.17 158.38,127.23 ; U44.3 115.94,103.14 116.21,102.87 ; U43.3 105.78,103.24 105.41,102.87 ; 158.38,56.11 158.38,58.05 158.48,58.15 C11.1 ; 116.21,102.87 125.73,102.87 ; 116.21,102.87 105.41,102.87 ; U45.3 126.1,105.6 125.73,105.23 125.73,102.87 ; C14.1 85.36,33.29 85.46,33.39 U105.3
